# Altium PCB тройничок.PcbDoc (part 4 of 5)
Units mm, origin at the board's own origin, x right, y up, seen from the top; angles counter-clockwise.
Board outline 158.1 x 53.48 mm, 4 copper layers (Top Layer 1, Top Layer, Bottom Layer, Bottom Layer 1), stack 0.603 mm thick; 336 components, 130 nets, 2093 pads, 689 vias.
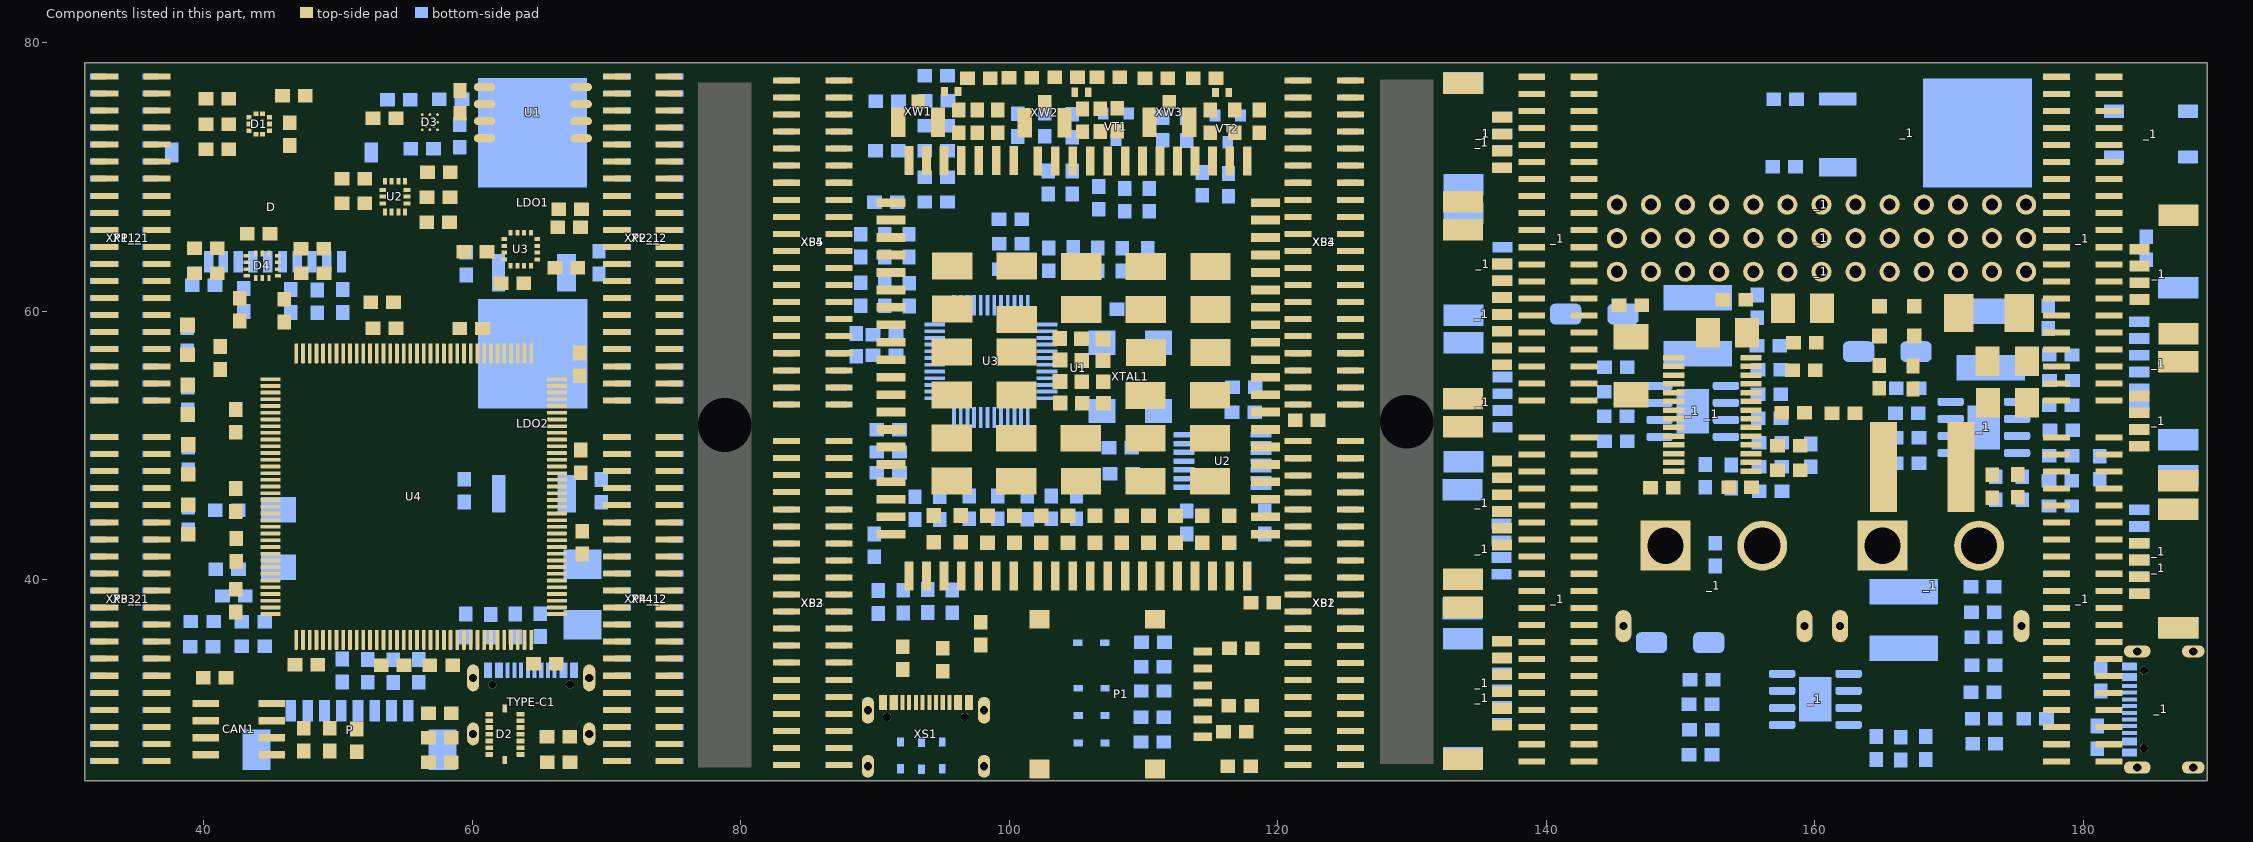
[diagram p6: the components of this part, seen from the top]

## Via types
v1: diameter 0.6, hole 0.4, Top Layer 1 to Bottom Layer 1, 394 vias
v2: diameter 0.7, hole 0.5, Top Layer 1 to Bottom Layer 1, 186 vias
v3: diameter 0.8, hole 0.6, Top Layer 1 to Bottom Layer 1, 108 vias
v4: diameter 0.6, hole 0.3, Top Layer 1 to Bottom Layer 1, 1 vias

## Nets (pads, with @x,y where several pads share a name; then routed paths per layer and width w, separated by ;. In a path a pad name is that pad's centre, name@x,y a point inside that pad or via, vN(x,y) a via of type N, cw(c..) or ccw(c..) an arc to the next point about the centre after c; other vN are vias at no path point) (continued)
copper on no net: | length 3598.7
  Top Layer 1 w0.15: v2(83.416,36.369) 84.191,36.369 84.341,36.519 84.341,37.021 85.282,37.962 85.282,49.848 86.734,51.299 87.09,51.299 88.941,53.151 88.941,54.567 90.023,55.649 92.908,55.649 93.233,55.324 v2(96.266,55.324) ; v2@97.766,47.274 v2(97.766,47.249) 98.391,46.624 98.391,44.774 ; 100.391,44.774 101.092,44.774 101.457,44.409 101.457,43.211 101.616,43.052 101.616,42.131 101.748,41.999 113.079,41.999 113.166,42.087 113.166,51.561 112.841,51.886 v2(112.841,51.924) ; v2@101.916,65.724 101.891,65.749 99.76,65.749 98.91,64.899 98.849,64.899 98.541,64.591 98.541,58.793 98.516,58.768 98.516,49.748 99.693,48.571 102.13,48.571 103.023,47.677 103.023,46.142 104.391,44.774 ; 102.391,44.774 101.616,44.774 101.326,45.065 101.326,45.258 100.828,45.755 99.309,45.755 98.691,46.373 98.691,49.148 98.216,49.623 98.216,58.893 98.241,58.918 98.241,64.716 98.725,65.199 98.785,65.199 99.91,66.324 104.166,66.324 104.716,65.774 v2(104.716,65.711) ; v2(102.807,49.314) 102.807,53.582 103.173,53.949 103.704,53.949 103.791,54.037 103.791,54.774 ; 103.766,57.974 104.716,58.924 106.96,58.924 107.091,59.056 107.091,61.299 108.162,62.369 108.162,65.919 111.541,69.299 v2(111.816,69.299) ; 103.791,56.374 103.791,57.111 103.704,57.199 103.123,57.199 102.991,57.331 102.991,63.792 103.876,64.676 106.168,64.676 106.966,65.474 106.966,66.037 105.13,67.874 104.316,67.874 v2(104.066,67.624) ; 105.407,54.757 106.216,53.947 106.216,52.506 105.785,52.074 104.048,52.074 103.616,51.642 103.616,46.273 103.89,45.999 106.888,45.999 107.241,46.351 v2(107.362,46.351) ; 105.441,53.149 104.632,53.958 104.632,55.352 104.385,55.599 99.098,55.599 98.816,55.881 98.816,58.644 98.841,58.669 98.841,64.467 98.973,64.599 99.034,64.599 99.532,65.097 105.69,65.097 106.305,65.713 v2(106.391,65.713) ; 106.041,71.199 106.041,71.949 106.591,72.499 107.26,72.499 107.517,72.756 107.517,72.824 108.066,73.374 v2(108.066,73.424) ; 106.991,57.949 108.162,59.119 108.162,61.919 108.462,62.219 108.462,65.019 v2(112.791,69.349) ; 107.027,53.15 108.437,54.56 108.437,58.97 108.462,58.995 108.462,61.239 108.968,61.746 111.405,61.746 111.912,62.253 111.912,64.504 v2(110.691,65.724) ; v2(112.891,35.124) 112.891,35.011 112.541,34.661 112.541,33.637 ; v2(113.141,33.424) 113.141,30.815 114.857,29.099 115.541,29.099 115.966,28.674 ; 114.354,37.736 114.419,37.671 114.419,34.665 ; 114.419,28.315 114.019,28.315 113.794,28.54 113.794,28.892 112.541,30.145 112.541,33.637 ; 116.416,34.899 116.366,34.899 115.523,34.055 112.96,34.055 112.541,33.637 ; 117.666,28.674 117.791,28.799 v2(118.891,28.799) ; 119.091,45.999 120.896,45.999 120.951,45.944 122.485,45.944 122.741,46.201 122.741,48.609 122.291,49.059 v2(121.516,49.059) ; v1(134.777,33.714) 135.693,33.714 135.857,33.55 137.548,33.55 137.953,33.955 138.775,33.955 138.925,34.105 ; v1(135.4,32.475) 135.48,32.395 135.762,32.395 135.857,32.3 137.543,32.3 137.615,32.3 138.15,32.835 138.925,32.835 ; v1(136.42,36.671) 136.506,36.585 136.506,36.361 136.667,36.2 137.715,36.2 137.72,36.195 138.767,36.195 138.925,36.037 138.925,35.375 ; 136.7,29.325 137.2,29.325 137.375,29.5 137.375,29.562 137.463,29.65 144.187,29.65 144.275,29.738 144.275,31.477 144.187,31.565 142.825,31.565 ; 136.7,30.575 137.2,30.575 137.375,30.75 137.375,30.837 137.463,30.925 141.512,30.925 141.6,31.013 141.6,32.737 141.688,32.825 142.815,32.825 142.825,32.835 ; 136.7,31.675 137.6,31.675 137.7,31.775 137.7,31.883 137.832,32.015 137.94,32.015 138.075,32.15 141.15,32.15 141.288,32.288 141.288,34.017 141.376,34.105 142.825,34.105 ; 136.7,33.075 136.875,33.25 137.797,33.25 137.929,33.382 140.769,33.382 140.875,33.488 140.875,35.212 140.963,35.3 142.75,35.3 142.825,35.375 ; 136.7,34.325 137.2,34.325 137.43,34.555 140.018,34.555 140.048,34.525 140.337,34.525 140.425,34.613 140.425,36.637 140.513,36.725 142.745,36.725 142.825,36.645 ; 136.7,44.075 136.96,43.815 137.867,43.815 138.007,43.675 142.737,43.675 142.825,43.587 142.825,42.995 ; 136.7,45.325 137.006,45.019 137.566,45.019 137.71,44.875 142.737,44.875 142.825,44.787 142.825,44.265 ; 136.7,46.575 136.837,46.438 137.587,46.438 137.85,46.175 142.727,46.175 142.815,46.087 142.815,45.535 ; 136.7,47.825 136.937,47.588 137.587,47.588 137.725,47.45 142.725,47.45 142.825,47.35 142.825,46.805 ; 136.7,57.575 137.05,57.575 137.375,57.25 137.375,57.15 138,56.525 140.762,56.525 140.85,56.437 140.85,48.913 141.688,48.075 142.825,48.075 ; 136.7,58.825 137.05,58.825 137.675,58.2 137.675,57.301 137.763,57.213 138.867,57.213 138.925,57.155 ; 136.7,59.775 137.612,59.775 137.7,59.863 137.7,60.013 138,60.313 138,60.815 138.15,60.965 138.925,60.965 140.15,60.965 140.941,60.174 140.941,60.036 141.732,59.245 143.548,59.245 144.1,58.693 144.1,55.307 144.35,55.057 144.35,52.701 147.001,50.05 149.508,50.05 ; 136.7,61.025 137.612,61.025 137.7,61.113 137.7,61.283 138,61.583 138,62.085 138.238,62.323 138.837,62.323 138.925,62.235 140.09,62.235 140.911,61.414 140.911,61.336 142.072,60.175 144.312,60.175 144.4,60.087 144.4,55.432 144.65,55.182 144.65,52.825 146.125,51.35 149.508,51.35 ; 136.7,62.275 136.35,62.275 135.725,61.65 135.725,59.282 135.857,59.15 137.543,59.15 137.938,59.545 138.775,59.545 138.925,59.695 139.7,59.695 139.85,59.545 139.85,59.043 141.6,57.293 141.6,55.567 141.917,55.25 143.733,55.25 144.05,54.933 144.05,51.943 148.55,47.443 148.55,46.063 148.638,45.975 150.794,45.975 151.225,46.406 151.225,50.147 150.622,50.75 149.558,50.75 149.508,50.7 ; 136.7,71.95 135.625,71.95 135.537,71.862 135.537,70.395 135.85,70.082 135.85,67.963 135.938,67.875 140.2,67.875 140.4,67.675 140.4,66.163 140.312,66.075 138.955,66.075 138.925,66.045 ; 136.7,73.2 135.05,73.2 134.862,73.012 134.862,72.888 134.925,72.825 134.925,69.263 135.013,69.175 135.393,69.175 135.525,69.043 135.525,67.575 135.785,67.315 138.925,67.315 ; v1(137.325,37.325) 137.325,36.733 137.413,36.645 138.925,36.645 ; 138.925,44.265 138.969,44.221 v1(140.745,44.221) ; 138.925,45.535 138.939,45.521 v1(140.97,45.521) ; 138.925,58.425 139.7,58.425 139.85,58.275 139.85,57.925 141.2,56.575 141.2,51.538 141.42,51.318 141.42,48.767 141.662,48.525 146.15,48.525 146.225,48.45 146.225,45.114 146.414,44.925 151.887,44.925 152.075,45.113 152.075,51.862 151.937,52 149.508,52 ; v1(140.9,65.55) 140.9,65.157 141.747,64.309 151.178,64.309 151.325,64.162 151.325,61.963 151.413,61.875 153.825,61.875 154.825,60.875 154.875,60.875 ; 146.325,53.8 147.989,53.8 148.489,53.3 149.508,53.3 ; 146.325,58.1 146.675,58.1 147.55,57.225 147.55,55.25 148.63,54.17 148.708,54.17 148.928,53.95 149.508,53.95 ; 149.475,46.85 149.525,46.85 150.213,47.538 150.787,47.538 150.875,47.626 150.875,49.312 150.787,49.4 149.508,49.4 ; 152.04,58.4 152.86,57.58 152.86,56.99 154.38,55.47 154.458,55.47 154.678,55.25 155.258,55.25 ; 153.175,60.875 153.225,60.875 153.65,60.45 153.65,60.4 154.14,59.91 154.14,59.22 154.96,58.4 155.78,59.22 155.78,60.683 156.652,61.555 158.628,61.555 158.928,61.255 159.74,61.255 160.56,60.435 160.56,60.225 ; 155.258,49.4 155.233,49.375 154.163,49.375 154.075,49.287 154.075,47.975 154.486,47.563 154.587,47.563 155.25,46.9 155.3,46.9 ; 155.258,50.05 156.225,50.05 156.375,49.9 156.375,49.025 156.75,48.65 156.75,48.6 157.175,48.175 157.225,48.175 ; 155.258,50.7 156.475,50.7 157.175,50 157.225,50 ; 155.258,54.6 158.133,54.6 158.333,54.8 159.175,54.8 159.263,54.888 159.263,56.362 159.175,56.45 157.3,56.45 156.962,56.788 156.962,58.174 157.64,58.852 157.64,60.225 ; 155.43,62.95 155.575,62.805 155.575,62.125 155.845,61.855 158.752,61.855 159.052,61.555 164.859,61.555 ccw(c165.59,62.95) 166.321,61.555 171.105,61.555 171.525,61.975 176.154,61.975 176.179,62 176.375,62 176.375,62.196 177.1,62.921 177.1,63.355 177.25,63.505 178.025,63.505 ; 156.1,42.55 156.1,39.688 156.188,39.6 159.775,39.6 161.025,40.85 161.025,46.25 161.625,46.85 164.214,46.85 165.139,47.775 165.139,48.4 ; 157.375,52.275 157.375,52.5 157.225,52.65 155.258,52.65 154.163,52.65 154.075,52.738 154.075,54.425 153.697,54.425 150.65,57.472 150.65,59.712 150.738,59.8 153.262,59.8 153.35,59.712 153.35,57.5 153.87,56.98 156.136,56.98 157.141,55.975 158.375,55.975 ; 157.55,52.45 157.8,52.7 ; 157.97,62.95 158.738,62.182 158.85,62.182 159.177,61.855 164.937,61.855 ccw(c165.59,62.95) 166.243,61.855 170.954,61.855 172.01,62.911 172.01,63.129 172.946,64.064 174.714,64.064 175.125,64.475 176.154,64.475 176.454,64.775 178.025,64.775 ; 158.075,55.325 158.35,55.6 ; v1(159.096,60.375) 159.1,60.371 159.1,59.367 158.281,58.548 157.929,58.548 157.45,58.068 157.45,57.05 157.562,56.938 159.937,56.938 160.05,56.825 160.05,55.6 ; 163.05,62.95 164.211,62.95 164.899,62.262 164.903,62.258 ccw(c165.59,62.95) 166.13,62.138 166.16,62.158 166.687,62.462 166.775,62.55 166.775,62.974 167.726,63.925 168.625,63.925 169.075,64.375 169.075,65.21 ccw(c168.13,65.45) 169.075,65.69 169.075,66.054 169.075,66.113 169.35,66.486 169.614,66.75 169.701,66.801 169.789,66.889 169.875,66.975 173.9,66.975 174.525,67.6 174.525,68.675 174.725,68.875 175.296,68.875 175.346,68.925 176.5,68.925 176.75,68.675 176.75,67.475 176.875,67.35 177.99,67.35 178.025,67.315 ; 164.825,55.975 164.825,58.175 ; 165.59,62.95 166.85,64.21 166.85,68.975 167.1,69.225 177.937,69.225 178.025,69.137 178.025,68.585 ; 167.325,55.925 167.425,56.025 167.425,58.175 ; 168.13,62.95 169.305,64.125 169.562,64.125 169.65,64.213 169.65,66.362 170.203,66.362 170.516,66.675 174.024,66.675 174.346,66.997 175.545,66.997 ccw(c175.75,67.95) 175.955,66.997 176.8,66.997 176.932,66.865 179.118,66.865 179.25,66.997 179.25,69.767 179.162,69.855 178.025,69.855 ; 170.67,62.95 170.928,63.208 171.633,63.208 172.846,64.422 174.272,64.422 174.454,64.604 174.454,65.532 175.321,66.4 175.325,66.4 175.35,66.425 176.154,66.425 176.725,65.854 176.725,65.802 177.212,65.315 179.687,65.315 179.925,65.552 179.925,67.284 179.775,67.434 179.775,70.712 179.362,71.125 178.025,71.125 ; 173.21,62.95 174.371,62.95 175.596,64.175 176.551,64.175 176.676,64.3 179.987,64.3 180.225,64.538 180.225,67.409 180.075,67.558 180.075,72.437 179.987,72.525 178.155,72.525 178.025,72.395 ; 174.825,46.15 174.925,46.25 175.025,46.25 ; 175.125,46.15 175.025,46.25 ; 175.75,62.95 176.8,64 180.287,64 180.525,64.238 180.525,67.533 180.375,67.683 180.375,73.587 180.287,73.675 178.035,73.675 178.025,73.665 ; 175.885,52.15 174.375,50.64 174.375,46.9 174.975,46.3 175.025,46.25 ; 178.025,40.455 176.57,40.455 176.075,40.95 176.075,46.162 175.987,46.25 175.025,46.25 ; 178.025,41.725 178.075,41.775 v1(179.725,41.775) ; 178.025,58.425 178.8,58.425 179.364,57.861 179.664,57.861 v1(179.75,57.775) ; 178.025,59.695 179.23,59.695 v1(179.775,59.15) ; 178.025,60.965 179.443,60.965 179.703,61.225 v1(179.825,61.225) ; 178.025,62.235 178.115,62.325 v1(179.75,62.325) ; 178.025,66.045 178.8,66.045 179.091,66.336 179.314,66.336 v1(179.4,66.422) ; v1(180.65,74.325) 180.736,74.239 180.736,74.079 181.15,73.665 181.925,73.665 ; v1(180.9,67.9) 180.9,67.778 181,67.678 181,67.465 181.15,67.315 181.925,67.315 ; v1(181.1,70.45) 181.222,70.45 181.31,70.362 181.862,70.362 181.95,70.274 181.95,69.88 181.925,69.855 ; v1(181.1,71.72) 181.1,71.275 181.25,71.125 181.925,71.125 ; v1(181.275,69.18) 181.832,69.18 181.925,69.087 181.925,68.585 ; 181.925,36.645 180.638,36.645 180.55,36.733 180.55,39.353 180.942,39.745 182.758,39.745 183.15,40.137 183.15,40.8 183.825,41.475 184.175,41.475 ; 181.925,37.915 183.087,37.915 183.175,38.003 183.175,39.737 183.338,39.9 183.85,39.9 184.175,40.225 ; 181.925,41.725 182.7,41.725 183.075,42.1 185.14,42.1 v1(187.002,40.239) ; 181.925,42.995 182.7,42.995 183.055,43.35 185.043,43.35 186.719,41.674 186.77,41.674 186.905,41.539 v1(187.027,41.539) ; 181.925,44.265 181.96,44.3 184.825,44.3 186.436,42.689 v1(187.202,42.689) ; 181.925,45.535 181.94,45.55 184.612,45.55 184.7,45.462 184.7,45.032 185.768,43.964 v1(187.477,43.964) ; 181.925,59.695 181.93,59.7 183.587,59.7 183.675,59.612 183.675,55.971 185.15,54.496 185.15,53.075 184.525,52.45 184.175,52.45 ; 181.925,60.965 181.885,60.925 180.688,60.925 180.6,60.837 180.6,48.963 180.688,48.875 182.998,48.875 183.15,49.027 183.15,49.663 182.956,49.857 182.956,49.981 183.2,50.225 183.2,50.443 183.332,50.575 183.456,50.575 183.544,50.663 183.544,50.875 183.869,51.2 184.175,51.2 ; 181.925,62.235 181.96,62.2 183.137,62.2 183.225,62.288 183.225,63.187 183.313,63.275 184.1,63.275 184.2,63.375 ; 181.925,63.505 181.895,63.475 180.588,63.475 180.5,63.387 180.5,62 180.775,61.725 183.45,61.725 183.85,62.125 184.2,62.125 ; 181.925,66.045 183.108,66.045 183.652,66.589 v1(183.75,66.589) ; 181.925,72.395 182.425,72.395 182.575,72.545 v1(182.575,72.99)
  Top Layer 1 w0.195: v2(87.316,55.609) 88.091,55.609 89.506,57.024 89.506,57.764 90.169,58.426 97.355,58.426 97.854,58.925 97.854,58.986 97.919,59.051 97.919,64.849 98.591,65.521 98.652,65.521 102.254,69.124 109.617,69.124 110.514,70.021 110.514,72.376 110.267,72.624 109.941,72.624 109.694,72.871 109.694,75.276 110.789,76.371 114.389,76.371 115.367,77.349 115.417,77.349 ; v2(87.316,56.879) 88.091,56.879 89.116,57.904 89.116,58.674 89.636,59.193 89.755,59.193 89.869,59.307 89.869,59.426 90.014,59.571 93.365,59.571 94.013,58.923 97.364,58.923 97.509,59.068 97.509,59.193 97.574,59.258 97.574,64.992 98.448,65.866 98.509,65.866 102.167,69.524 108.717,69.524 109.214,70.021 109.214,75.376 108.241,76.349 108.241,77.449 ; v2(87.316,58.149) 88.091,58.149 88.219,58.276 88.219,58.746 88.771,59.299 88.771,73.104 93.814,78.146 100.894,78.146 101.641,77.399 101.691,77.399 ; v2(89.566,32.424) 88.969,33.021 88.969,51.026 90.441,52.499 91.191,52.499 ; v2(89.566,34.349) 89.524,34.391 89.524,50.281 90.441,51.199 91.191,51.199 ; 91.191,45.999 90.669,45.999 90.441,45.771 90.441,45.386 90.327,45.271 90.014,45.271 89.869,45.126 89.869,42.971 90.441,42.399 90.441,33.086 90.606,32.921 90.606,30.869 90.606,30.599 90.369,30.361 90.369,29.572 91.49,28.451 96.164,28.451 97.244,29.531 97.244,30.026 97.209,30.061 97.209,30.666 97.007,30.869 ; 91.191,47.299 91.941,47.299 92.514,46.726 92.514,42.971 92.01,42.467 91.899,42.467 90.802,41.37 90.802,33.213 91.406,32.609 91.406,30.869 91.609,30.666 91.609,30.246 92.704,29.151 94.909,29.151 96.004,30.246 96.004,30.666 96.207,30.869 96.207,30.083 95.866,29.743 v2(95.866,29.049) ; 91.191,60.299 89.231,60.299 89.116,60.413 89.116,68.987 90.031,69.901 100.769,69.901 100.979,70.112 101.019,70.112 101.241,70.334 v2(101.241,71.349) ; 92.057,30.869 92.057,33.289 92.091,33.324 ; 93.216,75.624 93.394,75.446 95.319,75.446 ; 95.057,30.869 95.057,33.189 95.067,33.199 ; 96.241,73.299 96.241,73.349 95.494,74.096 95.494,75.271 95.319,75.446 ; 96.241,74.999 97.642,74.999 99.166,74.999 ; 96.342,76.299 96.342,76.199 95.939,75.796 95.639,75.796 95.319,75.476 95.319,75.446 ; 97.741,40.299 97.741,36.999 97.891,36.849 97.891,36.799 99.317,35.373 99.317,34.923 v2(99.414,34.826) ; 98.591,77.374 99.966,77.374 99.991,77.399 ; 99.041,40.299 99.269,40.071 99.269,38.288 99.316,38.24 v2(99.316,36.974) ; 99.041,71.224 99.041,73.174 99.166,73.299 ; 100.341,40.299 100.366,40.274 v2(100.366,38.199) ; 102.641,75.574 102.819,75.396 105.144,75.396 105.466,75.074 105.466,75.916 105.596,76.046 105.664,76.046 ; 104.741,71.199 104.741,71.949 105.314,72.521 106.014,72.521 106.389,72.896 106.389,72.996 106.791,73.399 ; 105.091,77.449 106.541,77.449 ; 105.466,73.374 105.869,73.776 105.869,74.076 106.214,74.421 106.214,74.582 106.328,74.696 106.328,75.136 106.341,75.149 106.841,75.149 ; 105.716,76.017 105.716,76.117 ; 105.839,76.197 105.991,76.349 ; 107.116,75.124 108.066,75.124 ; v2(108.588,38.828) 108.588,40.245 108.641,40.299 ; v2(109.441,38.674) 109.538,38.77 109.538,39.145 109.941,39.549 109.941,40.299 ; 111.816,77.349 113.717,77.349 ; 111.941,75.599 112.119,75.421 114.044,75.421 114.132,75.334 ; 112.541,40.299 112.541,39.549 114.354,37.736 ; v2(113.716,32.024) 114.419,32.024 114.495,31.948 115.267,31.948 115.942,31.273 115.942,31.026 116.221,30.748 116.467,30.748 ; 114.419,37.671 114.679,37.411 115.016,37.411 115.971,36.456 116.259,36.456 117.214,35.501 117.214,30.071 116.841,29.699 116.841,26.624 116.342,26.124 116.242,26.124 115.207,27.159 114.476,27.159 v2(114.466,27.149) ; 114.967,73.299 114.967,73.349 114.219,74.096 114.219,75.246 114.132,75.334 ; 114.967,74.999 114.967,74.949 115.369,74.546 115.594,74.546 116.792,73.349 ; 115.141,40.299 115.141,38.899 v2(115.691,38.349) 116.529,37.511 116.529,37.411 117.078,36.861 117.554,36.861 118.914,35.501 118.914,33.996 118.302,33.384 v2(118.302,32.921) ; 115.367,76.299 115.367,76.199 115.214,76.046 114.614,76.046 114.132,75.564 114.132,75.334 ; 116.441,40.299 116.441,38.737 116.874,38.304 116.874,37.553 117.221,37.206 117.697,37.206 119.259,35.644 119.259,31.766 119.041,31.549 118.116,30.624 118.066,30.624 ; 116.792,73.299 116.792,73.349 ; 117.992,26.124 118.042,26.124 119.604,27.686 119.604,35.799 117.852,37.551 117.364,37.551 117.219,37.696 117.219,39.071 117.169,39.121 117.169,41.507 117.055,41.621 114.414,41.621 113.841,41.049 113.841,40.299 113.841,40.149 114.069,39.921 114.191,39.921 114.191,38.724 115.53,37.385 116.07,37.385 116.184,37.271 116.184,37.268 116.935,36.516 117.249,36.516 118.116,35.649 118.116,34.899 ; 118.617,73.299 118.314,72.996 118.314,70.021 117.769,69.476 117.769,67.371 118.341,66.799 119.091,66.799 ; 118.617,74.999 118.617,74.949 117.419,73.751 117.194,73.751 116.792,73.349 ; 119.091,47.299 118.341,47.299 117.769,46.726 117.769,42.971 119.716,41.024 119.716,38.299 ; 119.091,48.599 118.341,48.599 117.769,49.171 117.769,51.626 118.041,51.899 121.317,51.899
  Top Layer 1 w0.2: 91.191,48.599 91.941,48.599 92.166,48.824 92.166,48.932 92.284,49.049 92.566,49.049 92.861,48.753 92.861,42.827 92.154,42.12 92.043,42.12 91.149,41.226 91.149,38.425 93.707,35.868 93.707,33.925 93.774,33.857 93.774,32.325 93.69,32.241 93.69,32.116 93.707,32.099 v2@93.617,32.01 ; 91.191,49.899 91.941,49.899 92.166,49.674 92.166,49.566 92.284,49.449 92.731,49.449 93.261,48.919 93.261,42.662 92.319,41.72 92.209,41.72 91.549,41.06 91.549,38.591 94.106,36.034 94.106,34.09 94.174,34.023 94.174,32.441 94.441,32.173 v2(94.441,32.074) 94.441,31.939 94.106,31.604 94.106,30.919 94.056,30.869 ; 93.056,30.869 93.062,30.864 93.062,29.779 v2(93.066,29.774) ; 93.557,30.869 93.575,30.888 93.575,31.968 v2@93.617,32.01 ; v2(93.594,32.01) v2@93.617,32.01 ; v2(94.491,29.749) 94.524,29.781 94.524,30.836 94.557,30.869
  Top Layer 1 w0.3: v1(132.875,62.975) 132.875,57.424 135.6,54.699 135.6,49.226 135.65,49.176 ; v1(133.921,34.243) 133.978,34.3 134.514,34.3 134.528,34.314 135.474,34.314 135.65,34.49 135.65,35.751 ; v1@134.9,74.6 135.05,74.45 136.7,74.45 ; v1(136.671,39.093) 135.718,39.093 135.65,39.025 ; 136.7,35.575 136.524,35.751 135.65,35.751 ; 136.7,49.075 136.599,49.176 135.65,49.176 ; v1(153.75,64.025) 153.75,64.825 154.05,65.125 v1(154.05,73.675) ; v1(162.3,49.675) 162.3,51.651 162.225,51.726 162.15,51.801 162.15,53.049 162.3,53.199 162.3,53.425 162.476,53.601 164.025,53.601 164.201,53.425 165.449,53.425 165.625,53.601 165.625,54.049 165.801,54.225 167.325,54.225 ; 181.925,31.565 185.299,31.565 185.475,31.741 185.475,35.075 184.775,35.775 184.775,38.725 184.525,38.975 184.175,38.975 ; v1(184.059,71.305) 184.059,69.726 184.235,69.55 187.775,69.55 v1@187.825,69.6 ; 184.175,49.95 184.25,49.875 v1(184.25,48.925) ; 135.65,35.751 135.65,39.025 ; 135.65,39.025 135.65,49.176
  Top Layer 1 w0.5: 96.891,77.374 96.941,77.374 97.916,76.399 v2(101.266,76.399) 101.305,76.437 101.794,76.437 101.856,76.499 102.407,76.499 102.738,76.83 102.738,76.845 103.341,77.449 103.391,77.449 ; 118.016,38.299 118.066,38.299 120.101,36.264 120.101,34.509 120.791,33.819 v2(121.516,33.819) ; 137.759,64.13 140.151,64.13 ; 141.679,61.59 144.051,61.59 ; 155.258,52 155.303,51.955 156.209,51.955 156.663,51.501 156.663,51.421 157.038,51.046 157.136,50.948 158.011,50.948 ; 164.575,46.825 165.325,47.575 165.325,48.4 165.325,47.775 ; 173.225,46.15 174.825,46.15 ; 173.85,38.3 176.619,38.3 176.859,38.54 179.457,38.54 ; 175.7,56.949 175.7,58.949 ; 175.875,53.649 175.875,55.649 ; 180.759,47.43 183.955,47.43
  Top Layer 1 w0.6: 136.7,63.525 137.05,63.525 137.5,63.975 137.534,63.975 137.569,64.01 ; 140.151,64.14 140.161,64.13 140.845,64.13 v1(140.85,64.125) 140.85,62.349 141.599,61.6 ; 144.051,61.6 144.061,61.59 148.166,61.59 148.781,60.975 148.781,60.381 v1(148.775,60.375) ; v1(145.121,46.55) 145.121,40.679 147.175,38.625 147.175,30.95 172.674,30.95 ; 147.125,60.45 148.7,60.45 v1(148.775,60.375) ; 147.775,46.85 147.775,45.743 148.068,45.45 151.012,45.45 v1(151.16,45.598) ; 148.557,55.245 148.537,55.245 148.273,55.509 148.273,57.677 148.323,57.727 148.323,59.896 148.775,60.348 v1(148.775,60.375) ; 148.9,42.55 150.458,40.992 150.458,39.076 150.809,38.725 161.225,38.725 165.05,42.55 ; 153.6,46.9 153.6,45.83 153.951,45.478 v1(158.643,45.478) 158.925,45.761 158.925,48.175 158.925,49.957 158.882,50 ; 156.234,53.95 156.259,53.975 158.25,53.975 158.55,54.275 161.306,54.275 ; 158.011,50.9 158.225,50.686 158.225,50.65 158.875,50 158.882,50 ; 158.425,57.675 158.475,57.675 159.125,58.325 159.125,58.375 159.45,58.7 159.525,58.625 160.861,58.625 161.079,58.407 163.425,58.407 163.425,54.275 ; 164.825,54.275 163.425,54.275 ; 170.911,48.4 171.611,47.7 171.611,44.032 172.25,43.393 172.25,42.55 ; 173.85,38.3 173.025,37.475 173.025,31.301 172.674,30.95 ; 179.457,38.54 179.457,38.756 179.961,39.259 179.961,40.777 180.465,41.28 ; 180.5,41.28 180.5,41.289 180.475,41.314 180.475,47.216 180.699,47.44 ; 181.925,30.295 181.905,30.275 v1(180,30.275) 173.349,30.275 172.674,30.95 ; 183.955,47.43 185.875,49.35 185.875,54.584 185.804,54.584 184.2,56.189 184.2,60.875 ; 158.882,50 158.925,50 161.175,50 161.175,51.324 161.214,51.362 161.214,52.339 161.45,52.575 161.45,54.131 161.306,54.275 ; 161.306,54.275 163.425,54.275
  Top Layer w0.15: 145.27,62.95 145.27,62.92 150.015,58.175 151.325,58.175 151.725,57.775 v1(179.75,57.775) ; 147.81,62.95 151.61,59.15 v1(179.775,59.15) ; 150.35,62.95 150.35,61.025 150.438,60.937 179.537,60.937 v1(179.825,61.225) ; 160.51,62.95 161.802,64.242 170.892,64.242 171.986,65.336 171.986,65.605 172.806,66.425 179.396,66.425 v1(179.4,66.422)
  Bottom Layer w0.3: v1(162.3,49.675) 163.05,48.925 v1(184.25,48.925)
  Bottom Layer w0.5: v2(83.416,72.119) v2(87.316,72.119) 94.796,72.119 96.391,70.524 ; v2(101.266,76.399) 96.391,71.524 96.391,70.524 ; v2@101.521,76.599 v2(109.641,76.599) ; v2(118.766,40.674) 118.766,42.173 v2(117.171,43.768) 115.498,43.768 109.216,50.049 109.216,54.449 v2(110.191,55.424) 108.291,55.424 v2(102.341,61.374) 96.391,67.324 v2(96.391,69.124) 96.391,70.524
  Bottom Layer 1 w0.15: 94.462,56.024 94.462,55.524 v2@96.291,55.524 ; 95.416,68.149 95.466,68.149 96.391,69.074 v2(96.391,69.124) 96.341,69.124 95.466,69.999 95.416,69.999 ; 97.041,44.549 97.041,44.499 97.466,44.074 97.785,44.074 99.283,42.576 104.369,42.576 105.447,43.655 105.491,43.655 107.992,46.156 107.992,46.534 107.352,47.174 106.873,47.174 104.239,49.808 104.239,50.464 101.604,53.099 99.679,53.099 99.526,52.947 99.526,52.869 99.392,52.734 99.392,52.094 ; v2(97.766,47.249) 97.766,46.281 98.723,45.324 99.76,45.324 100.085,44.999 100.917,44.999 101.342,44.574 101.342,44.524 ; 98.391,47.824 95.098,47.824 94.116,46.842 94.116,43.856 95.696,42.276 104.536,42.276 108.292,46.031 108.292,51.309 107.016,52.584 106.916,52.584 ; 101.026,61.307 101.179,61.459 102.256,61.459 v2(102.341,61.374) ; v2(102.091,65.699) 102.091,65.649 102.966,64.774 102.966,64.724 ; v2(102.807,49.314) 102.807,49.171 103.142,48.836 103.142,46.249 ; 102.916,68.749 102.916,68.799 99.916,71.799 99.916,73.949 100.641,74.674 100.641,74.724 101.366,74.724 101.72,75.077 101.72,75.17 102.318,75.769 110.171,75.769 111.441,74.499 111.441,74.449 112.166,74.449 112.407,74.69 112.407,74.958 113.953,76.504 125.985,76.504 126.541,75.947 126.541,33.801 125.941,33.201 125.941,32.699 125.791,32.549 v2(125.416,32.549) ; v2(104.066,67.624) 103.991,67.699 103.991,69.392 104.123,69.524 106.442,69.524 106.666,69.299 ; v2(104.716,65.711) 104.716,64.824 104.791,64.749 ; 105.017,44.549 105.017,44.599 105.442,45.024 105.492,45.024 106.787,46.319 107.329,46.319 v2(107.362,46.351) ; v2(106.391,65.713) 106.391,64.949 106.616,64.724 ; 108.442,64.699 108.442,64.749 108.867,65.174 109.43,65.174 109.98,65.724 v2(110.691,65.724) ; 108.617,69.149 109.342,69.149 109.595,69.402 109.595,69.67 109.848,69.924 112.216,69.924 v2(112.791,69.349) ; 109.141,49.849 108.976,50.015 108.976,52.445 109.064,52.533 109.804,52.533 109.891,52.621 109.891,53.577 110.023,53.709 112.21,53.709 112.841,53.077 v2(112.841,51.924) ; 109.216,47.899 109.266,47.899 109.691,48.324 109.691,48.742 112.273,51.324 113.055,51.324 113.416,51.686 113.416,52.926 111.895,54.448 111.168,54.448 v2(110.191,55.424) 109.256,55.424 107.016,57.664 106.916,57.664 106.916,59.074 107.992,60.149 108.042,60.149 108.092,60.149 109.395,61.452 110.163,61.452 111.042,62.331 111.042,63.617 110.901,63.758 110.457,63.758 110.316,63.899 110.316,64.674 ; 110.442,69.149 110.592,69.299 v2(111.816,69.299) ; 111.567,35.349 111.792,35.124 v2(112.891,35.124) ; v2(117.171,43.768) 118.053,44.649 118.616,44.649 119.041,45.074 119.041,45.124 ; v2(118.302,32.921) 118.884,32.339 119.064,32.339 119.541,31.862 119.541,29.449 v2(118.891,28.799) ; v1@134.725,33.75 134.725,30.75 134.85,30.625 134.915,30.56 136.7,30.56 ; v1(135.4,32.475) 135.4,31.898 135.488,31.81 136.7,31.81 ; v1@136.325,36.7 138.537,36.7 138.625,36.788 138.625,42.775 138.55,42.85 136.735,42.85 136.675,42.91 ; 136.675,41.66 137.937,41.66 138.025,41.572 138.025,38.875 137.325,38.175 v1(137.325,37.325) ; 136.75,52.61 138.387,52.61 138.475,52.522 138.475,44.338 138.563,44.25 v1@140.65,44.25 ; 136.75,53.86 139.012,53.86 139.1,53.772 139.1,45.638 139.188,45.55 v1@140.875,45.55 ; 136.75,63.525 137.075,63.2 141.912,63.2 142,63.288 142,64.45 v1(140.9,65.55) ; 136.75,73.225 138.462,73.225 138.55,73.313 138.55,74.312 138.638,74.4 145.283,74.4 145.371,74.312 145.371,72.276 145.678,71.968 146.113,71.968 146.421,72.276 146.421,74.312 146.508,74.4 151.825,74.4 156.425,69.8 156.872,68.242 156.872,64.438 156.96,64.35 157.475,64.35 157.8,64.025 158.766,64.025 159.096,63.696 v1(159.096,60.375) ; 144.325,54 144.325,55.8 144.35,55.825 ; 146.025,54 146.075,54 146.53,54.455 148.443,54.455 ; 146.05,50.325 146.475,50.75 146.593,50.75 147.758,51.915 148.443,51.915 ; 150.65,30.725 150.65,32.5 150.725,32.575 ; 151.85,48.6 152.925,48.6 153.075,48.45 153.075,47.625 153.8,46.9 153.8,46.85 ; 152.35,26.975 152.45,26.875 156.012,26.875 156.1,26.963 156.1,30.125 156.44,30.465 157.575,30.465 ; 152.35,30.725 154.625,30.725 154.8,30.9 154.8,32.575 155.23,33.005 157.575,33.005 ; 152.6,41.025 154.679,41.025 155.237,40.467 161.167,40.467 162.35,41.65 162.35,45.237 162.438,45.325 167.375,45.325 167.625,45.075 167.625,44.175 171.375,40.425 174.75,40.425 176.125,41.8 179.7,41.8 v1(179.725,41.775) ; 152.6,42.725 152.775,42.55 156.1,42.55 ; 152.89,62.95 151.725,64.115 151.725,66.611 151.769,66.655 151.813,66.699 156.425,66.699 156.425,64.088 156.513,64 156.85,64 156.987,63.863 156.987,61.838 158.477,60.348 158.477,59.938 158.564,59.85 166.725,59.85 169.325,62.45 169.325,64.1 169.475,64.25 179.7,64.25 179.788,64.162 179.788,62.363 v1(179.75,62.325) ; 153.393,50.645 153.582,50.645 153.8,50.427 153.8,48.55 153.925,48.425 155.85,48.425 155.85,46.625 155.875,46.6 ; 153.393,51.915 155.665,51.915 155.8,52.05 155.8,50.275 155.85,50.225 ; 153.393,53.185 154.35,53.185 ; 155.085,53.185 155.725,53.825 155.775,53.825 ; 155.775,55.4 155.775,55.65 ; 157.55,50.225 159.6,50.225 159.7,50.125 ; 162.525,29.195 166.387,29.195 166.475,29.107 166.475,28.325 166.425,28.275 168.225,28.275 168.275,28.325 169.525,28.325 170.175,27.675 171.65,27.675 171.775,27.8 ; 162.525,30.465 170.885,30.465 171.7,29.65 171.75,29.65 171.65,29.75 171.65,31.625 ; 162.525,31.735 170.21,31.735 171.25,32.775 171.25,33.225 171.675,33.65 171.725,33.65 171.725,35.725 ; 164.575,28.325 164.575,28.275 165.8,27.05 166,27.05 166.425,26.625 166.425,26.575 ; 166.025,52.4 166.075,52.45 166.075,54.275 ; 167.725,52.4 168.035,52.71 168.412,52.71 168.775,53.073 169.172,53.073 169.39,53.291 170.122,53.291 ; 167.775,48.7 167.825,48.7 169.351,50.226 169.351,50.533 169.569,50.751 170.122,50.751 ; 173.45,29.65 175.575,29.65 ; 173.5,47.675 174.637,47.675 174.725,47.587 174.725,47.032 174.857,46.9 175.087,46.9 175.175,46.812 175.175,46.25 175.45,45.975 ; 175.072,49.481 175.232,49.481 175.45,49.263 175.45,47.675 175.75,47.375 177.45,47.375 177.45,45.5 ; 175.072,50.751 177.126,50.751 177.475,51.1 ; 177.475,49.25 177.475,51.1 ; 177.475,52.25 177.475,53 177.5,53.025 177.5,54.85 ; 177.525,51.15 177.475,51.1 ; 179.175,49.25 181.175,49.25 181.225,49.2 ; v1(180.65,74.325) 181.062,73.913 184.787,73.913 186.075,72.625 186.075,68.713 185.987,68.625 184.35,68.625 183.225,67.5 183.225,66.273 183.5,65.998 183.5,59.55 183.825,59.225 184.175,59.225 ; v1(180.9,67.9) 180.9,67.837 181.15,67.587 181.15,55.65 183.825,52.975 184.175,52.975 ; 181.05,27.425 181.05,27.475 181.475,27.9 181.903,27.9 182.602,28.6 183.45,28.6 ; v1(181.1,70.45) 181.186,70.364 181.598,70.364 181.85,70.112 181.85,57.45 183.825,55.475 184.175,55.475 ; v1(181.1,71.72) 181.1,72.325 181.225,72.45 184.912,72.45 185,72.362 185,69.738 184.912,69.65 182.288,69.65 182.2,69.562 182.2,58.35 183.825,56.725 184.175,56.725 ; v1(181.275,69.18) 181.275,69.142 181.55,68.867 181.55,56.5 183.825,54.225 184.175,54.225 ; 181.325,33.425 181.325,33.375 182.268,32.432 182.268,32.243 182.837,31.675 183.375,31.675 183.45,31.6 ; 182.3,74.9 186.5,74.9 ; v1(182.575,72.99) 184.847,72.99 185.475,72.362 185.475,69.138 185.387,69.05 183.875,69.05 182.575,67.75 182.575,59.225 183.825,57.975 184.175,57.975 ; v1(183.75,66.589) 183.786,66.625 184.762,66.625 ; 184.175,40.225 186.9,40.225 v1@186.95,40.275 ; 184.175,41.475 186.875,41.475 v1@186.975,41.575 ; 184.175,42.725 v1@187.15,42.725 ; 184.175,43.975 187.4,43.975 v1@187.425,44 ; 184.7,65.55 184.85,65.7 184.85,66.537 184.762,66.625 ; 187.8,74.9 186.5,74.9 ; 184.762,66.625 185.85,66.625 186.5,67.275 186.5,74.9
  Bottom Layer 1 w0.195: v2(83.416,30.019) 83.791,30.019 85.85,32.077 85.85,36.077 86.769,36.996 87.605,36.996 87.655,37.046 89.839,37.046 90.241,37.449 90.241,37.499 ; v2(83.416,36.369) 83.041,36.369 82.914,36.241 82.914,35.771 81.991,34.849 81.991,30.269 82.839,29.421 83.994,29.421 86.524,31.951 87.884,31.951 88.164,32.231 88.164,34.746 89.866,36.449 96.067,36.449 96.514,36.896 96.514,38.451 95.766,39.199 95.766,39.249 90.291,39.249 90.241,39.199 89.966,39.474 89.966,41.724 92.041,41.724 92.991,42.674 92.991,44.549 93.794,45.351 93.794,46.976 96.892,50.073 96.892,52.094 96.391,52.094 ; 88.616,58.349 89.767,58.349 89.866,58.249 89.866,56.724 ; v2(89.566,34.349) 90.516,34.349 92.271,36.104 96.209,36.104 99.247,39.141 101.859,39.141 110.014,47.296 110.014,47.402 112.004,49.391 112.919,49.391 113.026,49.499 ; v2@89.792,32.299 92.543,32.299 95.792,35.547 96.141,35.547 99.39,38.796 102.002,38.796 110.98,47.775 110.98,47.88 111.949,48.849 113.026,48.849 ; 89.967,68.124 90.017,68.124 91.892,69.999 93.431,69.999 93.717,69.999 93.893,70.176 94.445,70.176 94.539,70.27 94.539,78.071 94.764,78.296 96.069,78.296 97.141,77.224 97.141,68.474 96.069,67.401 96.006,67.401 95.891,67.287 95.891,60.454 ; 91.666,68.124 91.692,68.149 93.717,68.149 ; 91.742,71.949 93.717,71.949 ; 91.766,75.649 93.716,75.649 93.741,75.674 ; 91.842,47.974 91.842,51.174 ; 92.941,46.249 92.992,46.249 93.394,46.651 93.394,47.064 95.891,49.561 95.891,52.094 ; 93.717,73.824 91.967,73.824 90.092,71.949 90.042,71.949 90.403,71.587 90.753,71.587 90.944,71.396 90.944,71.346 91.749,70.542 91.749,70.344 90.276,68.871 89.314,68.871 89.169,68.726 89.169,67.521 89.314,67.376 92.319,67.376 92.344,67.401 95.427,67.401 95.541,67.287 95.541,61.353 95.504,61.316 95.504,60.066 94.462,59.024 ; 93.717,77.549 92.017,77.549 90.116,75.649 90.067,75.649 90.017,75.649 88.824,74.456 88.824,69.616 89.117,69.324 89.117,69.162 88.824,68.869 88.824,67.378 89.171,67.031 95.082,67.031 95.196,66.917 95.196,61.496 95.159,61.459 95.159,60.209 94.361,59.411 93.599,59.411 93.434,59.246 93.434,58.802 93.599,58.636 93.709,58.636 93.821,58.524 94.462,58.524 ; 94.462,57.524 94.504,57.481 95.254,57.481 97.341,55.393 97.341,55.199 96.209,54.066 94.504,54.066 94.462,54.024 94.462,53.524 93.857,53.524 93.814,53.481 93.814,48.546 91.105,45.838 90.98,45.838 89.219,44.076 89.219,38.571 90.241,37.549 90.241,37.499 ; 94.841,46.199 94.891,46.249 97.041,46.249 97.041,46.199 98.004,45.236 98.004,44.311 99.416,42.899 102.892,42.899 103.889,43.896 103.889,45.201 103.639,45.451 102.539,45.451 102.219,45.771 101.744,45.771 101.342,46.174 101.342,46.224 101.342,48.34 99.891,49.79 99.891,52.094 ; 95.017,27.924 95.017,28.024 95.412,28.42 95.412,28.595 v2(95.866,29.049) ; 95.416,69.999 95.416,71.949 95.416,73.824 95.416,77.549 ; 95.766,37.549 95.717,37.499 90.241,37.499 ; 98.391,52.094 98.391,47.824 98.391,47.074 99.166,46.299 99.166,46.199 99.569,45.796 100.369,45.796 100.739,45.426 102.076,45.426 102.501,45.001 102.739,45.001 103.142,44.599 103.142,44.549 ; 98.891,60.454 98.849,60.496 98.849,61.246 98.568,61.527 98.512,61.527 97.754,62.285 97.754,67.762 98.321,68.329 101.936,68.329 103.266,66.999 106.066,66.999 106.214,67.146 106.264,67.146 106.666,67.549 106.666,67.599 ; v2(99.316,36.974) 104.514,36.974 104.689,37.149 109.404,37.149 113.844,41.588 113.844,42.626 113.989,42.771 113.989,42.896 117.439,46.346 117.439,54.994 114.391,58.041 114.391,68.649 114.391,68.699 114.794,69.101 115.219,69.101 116.341,70.224 116.341,70.274 ; 99.392,52.734 99.392,53.843 102.029,56.481 ; 99.392,60.454 99.349,60.496 99.349,61.246 98.723,61.872 98.655,61.872 98.099,62.428 98.099,67.619 98.446,67.966 101.811,67.966 103.124,66.654 106.209,66.654 106.349,66.794 108.012,66.794 108.617,67.399 108.617,67.449 ; v2(99.414,34.826) 105.569,34.826 105.942,35.199 106.041,35.199 107.61,36.767 113.235,36.767 115.755,39.288 115.98,39.288 119.319,42.626 119.644,42.626 119.789,42.771 119.789,43.096 120.426,43.733 120.587,43.733 120.939,43.381 122.094,43.381 122.364,43.651 122.364,45.671 123.966,47.274 123.966,64.049 122.364,65.651 122.364,66.509 122.364,68.636 122.079,68.921 120.954,68.921 120.669,68.636 120.669,67.981 120.854,67.796 120.854,67.551 120.74,67.437 120.578,67.437 116.944,71.071 115.739,71.071 115.314,70.646 115.314,69.871 114.889,69.446 113.789,69.446 112.716,68.374 111.067,68.374 111.044,68.351 108.014,68.351 107.841,68.524 107.292,68.524 107.269,68.501 106.064,68.501 106.041,68.524 105.891,68.524 105.666,68.749 104.717,68.749 ; 99.891,60.454 99.891,61.526 99.201,62.217 98.798,62.217 98.444,62.571 98.444,67.476 98.589,67.621 101.594,67.621 102.907,66.309 106.352,66.309 106.492,66.449 109.017,66.449 109.48,66.913 109.48,67.188 109.742,67.449 110.442,67.449 ; v2(100.366,38.199) 105.035,38.199 105.157,38.076 109.844,38.076 111.539,39.771 111.539,43.371 113.241,45.074 113.241,45.124 113.026,45.339 113.026,46.899 113.134,47.006 113.794,47.006 116.591,49.804 116.591,52.474 ; 100.641,73.024 100.666,73.049 102.666,73.049 ; 100.941,66.874 100.941,61.144 100.892,61.094 100.892,60.454 100.892,57.704 102.029,56.566 ; v2(101.241,71.349) 102.367,71.349 103.414,72.396 103.414,73.951 102.666,74.699 102.666,74.749 ; 101.391,52.094 101.391,51.454 101.434,51.411 101.554,51.411 105.017,47.949 105.017,46.249 ; 101.391,60.454 102.266,60.454 102.939,61.126 102.939,61.571 102.966,61.599 102.966,63.024 ; 102.821,53.524 103.426,53.524 103.469,53.481 103.469,52.421 106.921,48.969 107.239,48.969 107.516,48.691 107.516,47.899 ; 102.821,55.524 102.864,55.481 103.614,55.481 105.336,53.759 105.336,51.904 107.391,49.849 107.441,49.849 ; 102.821,56.024 102.864,56.066 103.614,56.066 105.669,58.122 105.669,59.176 107.389,60.896 108.239,60.896 109.864,62.521 109.914,62.521 110.316,62.924 110.316,62.974 ; 102.821,57.024 102.864,57.066 103.614,57.066 105.324,58.777 105.324,59.319 106.961,60.957 106.961,61.469 108.442,62.949 108.442,62.999 ; 102.821,57.524 102.864,57.566 103.614,57.566 104.979,58.932 104.979,59.933 106.616,61.57 106.616,63.024 ; 102.821,59.024 102.821,60.048 104.389,61.615 104.389,62.646 104.791,63.049 ; 102.916,70.449 102.916,70.499 103.817,71.399 103.817,72.024 104.716,72.924 104.716,72.974 ; 104.716,74.674 105.741,74.674 106.514,75.446 107.519,75.446 108.217,74.749 108.916,74.749 ; 104.791,70.424 104.791,70.474 105.954,71.636 105.954,73.636 107.016,74.699 107.016,74.749 ; 107.116,35.324 107.217,35.324 108.261,36.368 113.711,36.368 v2(115.691,38.349) ; 107.142,27.849 107.242,27.849 108.539,26.551 118.53,26.551 118.953,26.974 v2(119.016,26.974) ; 107.142,29.899 108.541,29.899 109.164,30.521 110.719,30.521 111.466,29.774 111.516,29.774 111.516,27.974 112.341,27.149 v2(114.466,27.149) ; 107.142,31.924 107.242,31.924 108.189,30.976 118.319,30.976 v2(118.966,31.624) ; v2(108.588,38.828) 108.588,44.42 112.169,48.001 112.249,48.001 112.447,48.199 113.026,48.199 ; v2(109.441,38.674) 109.441,39.678 109.991,40.228 109.991,45.174 112.169,47.351 112.249,47.351 112.447,47.549 113.026,47.549 ; 111.441,72.749 111.467,72.724 113.242,72.724 ; 111.541,31.724 112.68,31.724 112.98,32.024 v2(113.716,32.024) ; 111.541,33.524 111.641,33.424 v2(113.141,33.424) ; 113.242,74.424 114.034,74.424 114.436,74.826 114.436,74.894 114.839,75.296 115.844,75.296 116.542,74.599 117.242,74.599 ; 114.391,70.349 114.391,73.599 115.341,74.549 115.341,74.599 ; 118.341,54.349 118.341,52.524 118.291,52.474 118.291,50.906 118.399,50.799 118.766,50.799 ; 118.766,46.899 118.934,46.899 119.041,46.791 119.041,45.124 ; 118.766,47.549 119.346,47.549 119.544,47.351 119.624,47.351 119.799,47.176 119.799,45.321 121.141,43.979 v2(121.516,43.979) ; 118.766,48.199 119.346,48.199 119.544,48.001 119.624,48.001 119.974,47.651 119.974,47.489 120.144,47.319 120.144,46.246 121.141,45.249 v2(121.516,45.249) ; 118.766,48.849 119.346,48.849 119.544,48.651 119.624,48.651 120.489,47.786 120.489,47.171 121.141,46.519 v2(121.516,46.519) ; 118.766,49.499 119.806,49.499 121.014,48.291 121.014,47.916 121.141,47.789 v2(121.516,47.789)
  Bottom Layer 1 w0.2: v2(83.416,31.289) 83.791,31.289 85.502,32.999 85.502,39.599 85.502,39.774 85.502,48.149 85.502,50.499 85.502,51.274 87.641,51.274 89.391,49.524 90.141,49.524 90.241,49.624 90.241,50.304 90.362,50.424 90.795,50.424 90.942,50.57 90.942,51.757 93.598,54.414 94.351,54.414 94.462,54.524 ; v2(83.416,33.829) 84.116,33.829 84.752,34.464 84.752,51.584 85.191,52.024 88.257,52.024 88.916,52.683 88.916,54.545 89.92,55.549 90.392,55.549 90.416,55.574 90.686,55.574 91.067,55.955 91.067,56.224 91.566,56.724 91.767,56.524 94.462,56.524 ; v2(83.416,35.099) 84.116,35.099 84.352,35.334 84.352,51.75 85.026,52.424 88.092,52.424 88.516,52.849 88.516,54.711 89.754,55.949 90.091,55.949 90.116,55.974 90.52,55.974 90.667,56.12 90.667,57.349 91.566,58.249 ; 83.948,32.659 83.516,32.659 v2(83.416,32.559) 83.291,32.684 82.714,32.684 82.457,32.941 82.457,33.107 82.574,33.224 84.006,33.224 84.596,33.813 85.102,33.813 85.102,39.599 85.102,39.774 85.102,48.149 85.102,50.499 85.102,51.44 85.336,51.674 88.402,51.674 88.902,51.174 90.142,51.174 90.542,51.574 90.542,51.923 93.543,54.924 94.362,54.924 94.462,55.024 ; 91.641,58.249 92.866,57.024 94.462,57.024 ; 91.917,27.924 91.917,28.024 93.016,29.124 93.016,29.724 v2(93.066,29.774) 92.994,29.846 92.994,32.258 93.345,32.61 93.906,32.61 v2(94.441,32.074) ; 93.467,27.899 93.467,27.999 94.491,29.024 v2(94.491,29.749) 94.491,31.112 v2(93.594,32.01)
  Bottom Layer 1 w0.3: v1(132.875,62.975) 132.932,63.032 132.932,63.307 135.65,66.025 135.65,70.349 134.9,71.099 134.9,75.351 135.65,76.101 135.65,77.099 135.876,77.325 145.9,77.325 ; v1@134.051,34.3 133.925,34.174 133.925,28.501 134.101,28.325 136.524,28.325 136.7,28.501 136.7,29.31 ; v1@136.675,39.025 136.675,40.41 ; v1@145.9,72.425 145.9,77.325 ; v1@153.95,64.025 155.84,64.025 156.525,63.34 156.525,61.316 158.366,59.475 164.125,59.475 165.075,58.525 165.075,55.975 164.75,55.65 162.625,55.65 162.3,55.325 v1(162.3,49.675) ; v1(154.05,73.675) 154.05,77.275 154.1,77.325 ; 182.45,71.3 v1@184.05,71.3 ; v1(184.25,48.925) 183.363,48.038 183.363,44.762 182.9,44.3 182.9,38.001 183.076,37.825 v1(184.8,37.825) ; v1(187.784,69.555) 187.784,71.134 187.95,71.3 187.824,71.426 ; 187.8,71.5 188.875,72.575 188.875,76.249 188.699,76.425 177.529,76.425 176.314,77.64 167.936,77.64 167.76,77.464 167.76,76.601 167.584,76.425 166.721,76.425 166.456,76.16 162.05,76.16 161.705,75.815 158.65,75.815 158.65,77.149 158.474,77.325 154.1,77.325 ; 145.9,77.325 154.1,77.325
  Bottom Layer 1 w0.5: 88.941,65.749 90.741,65.749 92.541,65.749 ; v2(118.766,40.674) 118.766,33.704 121.191,31.279 v2(121.516,31.279) v2(125.416,31.279) ; v1@140.894,73.694 v1@140.9,73.7 ; 154.35,53.15 155.182,53.15 155.475,53.443 155.475,53.575 155.725,53.825 155.78,53.825 ; 155.8,53.911 155.8,54.694 155.8,55.4 ; 175.072,52.021 175.757,52.021 175.986,52.25 177.475,52.25 ; 177.5,52.286 177.5,53.775 ; 177.5,53.336 177.5,54.825
  Bottom Layer 1 w0.6: v1(134.375,62.275) 136.75,62.275 ; 136.75,51.36 135.443,51.36 135.15,51.653 135.15,55.8 135.65,56.3 139.157,56.3 139.45,56.593 139.45,61.407 139.768,61.725 139.818,61.675 150.65,61.675 151.3,61.025 ; 136.75,71.975 139.175,71.975 ; v1(140.85,64.125) 139.175,65.8 139.175,71.975 ; v1(140.889,73.699) 139.175,71.985 139.175,71.975 ; v1@179.981,30.256 177.107,27.382 176.325,27.382 176.325,26.318 176.618,26.025 181.441,26.025 182.43,27.014 182.43,27.636 182.694,27.9 183.4,27.9 ; v1(180,30.275) 179.307,30.968 176.657,30.968 176.657,33.907 179,36.25 182.187,36.25 182.43,36.007 182.43,33.064 182.744,32.75 183.45,32.75
  other v1: 162.338,26.144 168.75,26.325 75.133,26.474 71.283,26.516 175.496,27.118 179.9,27.15 71.233,27.766 75.183,27.816 71.258,29.016 75.233,29.066 154.563,29.419 75.063,32.827 71.138,32.877 175.671,33.943 169.65,37.625 186.4,38.9 175.838,39.269 174.5,39.675 140.875,40.75 152.85,44.15 170.375,44.225 167.275,49.8 182.275,49.95 143.45,50.05 160.425,51.065 181.688,51.644 179.15,52 142.438,52.444 160.275,53.525 140.075,54 146.891,56.669 162.625,56.975 165.9,57.025 149.5,59.975 179.76,60.273 151.325,60.4 136.8,69.575 140.95,69.675 164.571,70.068 36.025,71.125 32.15,71.15 163.95,72.25 162.5,72.4 145.896,72.493 134.908,74.62 36.09,74.916 32.215,74.941 36.115,76.216 140.846,76.218 32.14,76.241 32.215,77.491 36.115,77.516
  other v2: 83.416,26.209 87.316,26.209 83.416,27.479 87.316,27.479 83.416,28.749 87.316,28.749 32.2,30.3 36,30.3 32.2,31.6 116.341,32.224 121.516,32.674 125.416,33.819 71.3,34.1 75.2,34.1 71.2,35.4 75.2,35.4 71.2,36.7 36,37.9 71.2,37.9 32.1,38 32.1,39.2 36,39.2 71.2,39.2 75.1,39.2 32.1,40.5 36,40.5 75.1,40.5 32.1,41.8 36,41.8 117.466,42.124 91.05,42.463 32.2,43 71.2,43 99.466,43.699 95.466,43.749 71.4,44.3 32.2,46.8 75.1,46.8 115.291,47.174 32.2,48.1 75.1,48.1 125.416,49.059 83.416,49.069 87.316,49.069 121.516,50.329 125.416,50.329 83.416,50.339 87.316,50.339 114.966,50.549 107.616,50.924 110.716,51.799 83.416,53.069 87.316,53.069 121.516,53.069 125.416,53.069 100.341,53.674 114.966,53.749 83.416,54.339 87.316,54.339 121.516,54.339 125.416,54.339 32.1,55.9 71.1,55.9 75.2,55.9 111.516,55.949 113.691,56.724 71.1,57.2 75.2,57.2 36,58.4 75.2,58.5 113.616,59.549 36,59.7 115.191,60.024 111.417,60.374 36,61 93.716,61.124 36,62.3 100.063,62.295 93.641,62.949 114.991,63.349 32.1,63.5 35.9,63.5 93.691,64.249 32.1,64.8 36.1,64.8 75.3,64.8 93.691,65.774 36.1,66.1 36.1,67.3 75.3,67.3 32.1,68.6 36,68.6 75.3,68.6 83.416,69.579 87.316,69.579 32.1,69.9 36,69.9 75.3,69.9 83.416,70.849 87.316,70.849 75.3,71.1 75.2,72.4 75.1,73.7 121.516,74.659 125.416,74.659 121.516,75.929 125.416,75.929 121.516,77.199 125.416,77.199
  other v3: 125.516,26.174 121.558,26.216 121.508,27.466 125.458,27.516 121.508,28.766 125.483,28.766 87.341,29.999 121.508,29.991 125.458,30.041 87.266,31.274 87.291,32.599 87.341,33.824 121.516,35.089 125.416,35.089 87.316,35.099 87.341,36.349 121.516,36.359 125.416,36.359 121.516,37.624 125.416,37.629 83.416,37.639 87.341,37.649 83.566,38.874 121.516,38.899 125.416,38.899 87.316,38.909 83.541,40.149 121.516,40.169 125.416,40.169 87.316,40.174 83.516,41.424 121.516,41.439 125.416,41.439 87.316,41.449 159.143,42.453 83.516,42.699 121.516,42.709 125.416,42.709 87.316,42.719 83.466,43.949 125.491,43.974 87.316,43.989 125.466,45.224 83.416,45.249 87.316,45.259 83.491,46.499 125.491,46.499 87.316,46.529 125.466,47.774 83.441,47.799 87.316,47.799 83.466,55.574 121.466,55.599 125.516,55.599 83.416,56.849 121.391,56.874 125.491,56.874 83.466,58.124 121.466,58.124 125.491,58.174 87.316,59.419 121.391,59.399 83.366,59.424 125.466,59.424 83.416,60.624 87.316,60.689 121.441,60.699 125.391,60.699 83.466,61.924 87.316,61.959 121.466,61.974 125.441,61.999 83.466,63.224 87.316,63.229 121.466,63.224 125.416,63.224 83.416,64.449 87.316,64.499 121.466,64.499 125.391,64.524 87.316,65.769 121.466,65.749 83.466,65.774 125.366,65.774 83.366,67.024 87.366,67.024 121.491,67.024 125.366,67.049 121.491,68.274 87.366,68.299 125.316,68.299 83.391,68.349 125.366,69.574 121.566,69.624 121.491,70.799 125.416,70.849 125.366,72.099 121.541,72.124 87.366,73.324 83.366,73.374 121.441,73.374 125.366,73.374 87.391,74.649 83.391,74.674 87.366,75.924 83.316,75.949 83.366,77.199 87.366,77.199
  other v4: 170.1,39.025

## Polygon pours and split planes (outlines as drawn)
no net on Bottom Layer 1 "NONET_L04_P107" (solid, pour order 107): 82.066,78.124 126.841,78.124 126.841,25.324 126.741,25.224 81.916,25.224
no net on Bottom Layer 1 "NONET_L04_P104" (solid, pour order 104): 87.966,66.474 94.966,66.474 94.966,59.649 87.966,59.649
no net on Bottom Layer 1 "NONET_L04_P087" (solid, remove dead copper, pour order 87): 132.225,77.975 132.225,25.375 189.225,25.375 189.225,77.975 186.225,77.975 186.225,76.975 183.725,76.975 183.725,77.975
no net on Bottom Layer 1 "NONET_L04_P082" (solid, remove dead copper, pour order 82): 170.5,46.85 168.925,46.85 168.925,43.925 168.988,43.862 170.651,43.862
no net on Bottom Layer 1 "NONET_L04_P068" (solid, remove dead copper, pour order 68): 158.6,73.55 158.6,64.25 158.8,64.05 165.625,64.05 165.625,73.55 165.55,73.625
no net on Bottom Layer 1 "NONET_L04_P064" (solid, remove dead copper, pour order 64): 145.3,51.35 146.775,51.35 147.2,51.775 147.2,52.525 149.575,52.525 149.6,52.55 149.6,53.825 141.475,53.825 141.475,52 143.075,52 143.125,52.05 143.125,52.85
no net on Bottom Layer 1 "NONET_L04_P063" (solid, remove dead copper, pour order 63): 143.35,52.725 143.375,52.7 143.375,48.85 145.2,48.85 145.275,48.925 145.275,52.75
no net on Bottom Layer 1 "NONET_L04_P062" (solid, remove dead copper, pour order 62): 156.55,58.225 156.575,58.2 156.575,54.775 159.15,54.775 159.15,52.775 161.7,52.775 161.7,58.3
no net on Bottom Layer 1 "NONET_L04_P061" (solid, remove dead copper, pour order 61): 155.525,32.325 158.75,32.325 158.75,30.975 156.175,30.975 156.15,31 155.875,30.725 155.875,27.95 151.5,27.95 151.5,30.375 151.65,30.525 154.975,30.525 154.975,32.275 154.95,32.3
no net on Bottom Layer 1 "NONET_L04_P059" (solid, remove dead copper, pour order 59): 172.8,38.325 172.8,37.875 172.8,34.75 176.65,34.75 176.65,38.175 176.675,38.15 176.7,38.15 176.7,40.475 176.725,40.5 176.7,40.525 175.15,40.525 175.15,38.35 175.125,38.325
no net on Bottom Layer 1 "NONET_L04_P057" (solid, remove dead copper, pour order 57): 161.65,28.325 161.7,28.275 161.7,25.525 170.05,25.525 170.075,25.5 170.15,25.575 170.15,27.4 170.175,27.425 170.1,27.5 163.9,27.5 163.9,28.3
no net on Bottom Layer 1 "NONET_L04_P056" (solid, remove dead copper, pour order 56): 163.3,40.4 163.3,37.15 163.275,37.125 163.325,37.075 170.6,37.075 170.6,38.5 170.6,38.85 172.425,38.85 172.425,40.35 172.375,40.4
no net on Bottom Layer 1 "NONET_L04_P055" (solid, remove dead copper, pour order 55): 161.4,32.45 170.45,32.45 170.5,32.5 170.5,36.725 150.4,36.725 150.35,36.675 150.35,33.725 151.65,33.725 151.625,33.7 151.625,31.65 154.25,31.65 154.275,31.675 154.275,33.625 160.375,33.625 160.4,33.6 160.4,32.775
no net on Bottom Layer 1 "NONET_L04_P053" (solid, remove dead copper, pour order 53): 178.35,57.675 178.4,57.625 178.4,53.975 180.6,53.975 180.625,53.95 180.625,50.825 182.6,50.825 182.75,50.975 182.75,53.525 182.625,53.525 180.375,55.775 180.375,57.7
no net on Bottom Layer 1 "NONET_L04_P052" (solid, remove dead copper, pour order 52): 166.9,51.6 166.925,51.575 166.925,49.425 168.025,49.425 169,50.4 169,51.35 171.3,51.35 171.25,51.4 171.25,52.725 168.75,52.725 168.7,52.675
no net on Bottom Layer 1 "NONET_L04_P051" (solid, remove dead copper, pour order 51): 170.5,46.85 174.425,46.85 174.425,45.05 174.65,44.825 174.675,44.85 178.35,44.85 178.35,46.275 178.4,46.325 180.525,46.325 180.525,43.7 180.45,43.775 170.5,43.775